# KiCad board GNSS GPS L86-M33 breakout with easyC_panel.kicad_pcb (continued)
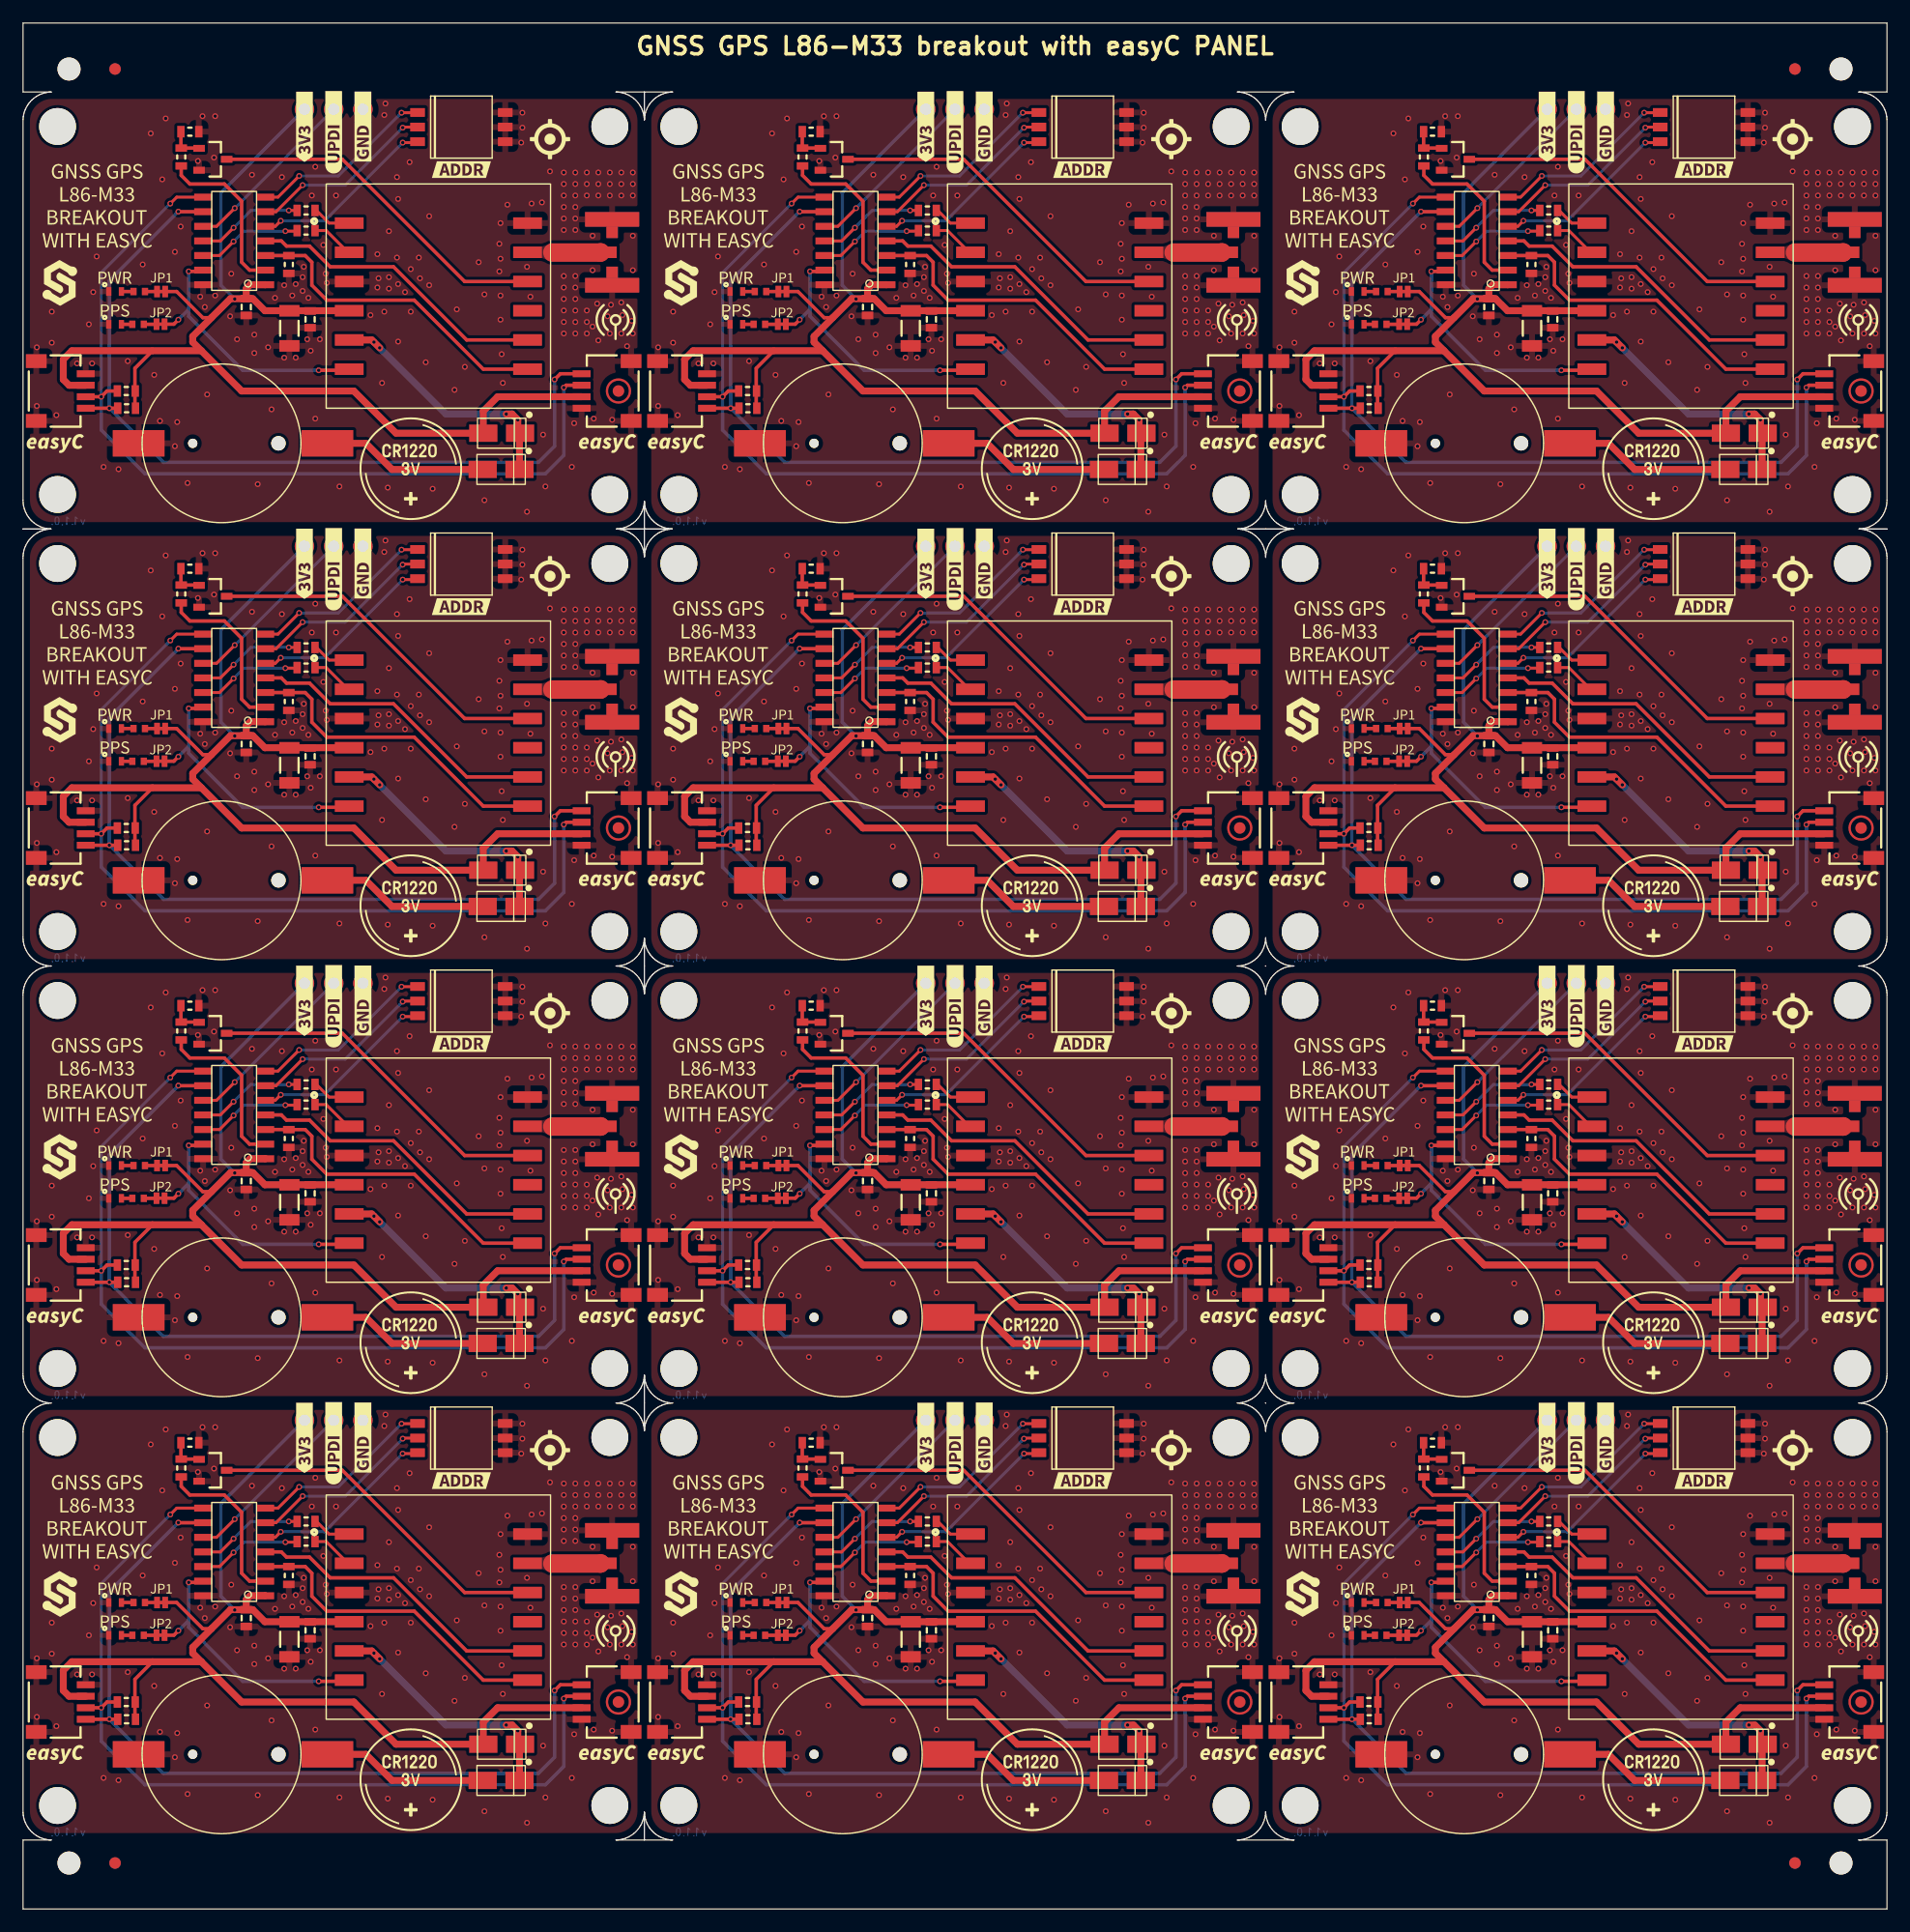
[diagram p0: board, top side]
## Placement (name value [footprint] x y rotation side) (continued)
kibuzzard-646B110E#5  G***  [kibuzzard-646B110E]  8 27.85 0 top
kibuzzard-646B110E#6  G***  [kibuzzard-646B110E]  62 65.85 0 top
kibuzzard-646B110E#7  G***  [kibuzzard-646B110E]  116 65.85 0 top
kibuzzard-646B110E#8  G***  [kibuzzard-646B110E]  8 141.85 0 top
kibuzzard-646B110E#9  G***  [kibuzzard-646B110E]  116 103.85 0 top
kibuzzard-646B110E#10  G***  [kibuzzard-646B110E]  62 27.85 0 top
kibuzzard-646B110E#11  G***  [kibuzzard-646B110E]  8 65.85 0 top
kibuzzard-646B110E#12  G***  [kibuzzard-646B110E]  8 103.85 0 top
kibuzzard-646B122B  G***  [kibuzzard-646B122B]  81 154.5 90 top
kibuzzard-646B122B#2  G***  [kibuzzard-646B122B]  81 40.5 90 top
kibuzzard-646B122B#3  G***  [kibuzzard-646B122B]  27 154.5 90 top
kibuzzard-646B122B#4  G***  [kibuzzard-646B122B]  81 116.5 90 top
kibuzzard-646B122B#5  G***  [kibuzzard-646B122B]  27 116.5 90 top
kibuzzard-646B122B#6  G***  [kibuzzard-646B122B]  27 40.5 90 top
kibuzzard-646B122B#7  G***  [kibuzzard-646B122B]  135 116.5 90 top
kibuzzard-646B122B#8  G***  [kibuzzard-646B122B]  81 78.5 90 top
kibuzzard-646B122B#9  G***  [kibuzzard-646B122B]  135 154.5 90 top
kibuzzard-646B122B#10  G***  [kibuzzard-646B122B]  135 40.5 90 top
kibuzzard-646B122B#11  G***  [kibuzzard-646B122B]  135 78.5 90 top
kibuzzard-646B122B#12  G***  [kibuzzard-646B122B]  27 78.5 90 top
kibuzzard-646B123E  G***  [kibuzzard-646B123E]  83.54 79 90 top
kibuzzard-646B123E#2  G***  [kibuzzard-646B123E]  29.54 155 90 top
kibuzzard-646B123E#3  G***  [kibuzzard-646B123E]  83.54 117 90 top
kibuzzard-646B123E#4  G***  [kibuzzard-646B123E]  137.54 79 90 top
kibuzzard-646B123E#5  G***  [kibuzzard-646B123E]  137.54 155 90 top
kibuzzard-646B123E#6  G***  [kibuzzard-646B123E]  83.54 41 90 top
kibuzzard-646B123E#7  G***  [kibuzzard-646B123E]  29.54 79 90 top
kibuzzard-646B123E#8  G***  [kibuzzard-646B123E]  29.54 117 90 top
kibuzzard-646B123E#9  G***  [kibuzzard-646B123E]  137.54 117 90 top
kibuzzard-646B123E#10  G***  [kibuzzard-646B123E]  83.54 155 90 top
kibuzzard-646B123E#11  G***  [kibuzzard-646B123E]  137.54 41 90 top
kibuzzard-646B123E#12  G***  [kibuzzard-646B123E]  29.54 41 90 top
kibuzzard-646B1119  G***  [kibuzzard-646B1119]  62 63 0 top
kibuzzard-646B1119#2  G***  [kibuzzard-646B1119]  116 101 0 top
kibuzzard-646B1119#3  G***  [kibuzzard-646B1119]  8 63 0 top
kibuzzard-646B1119#4  G***  [kibuzzard-646B1119]  62 139 0 top
kibuzzard-646B1119#5  G***  [kibuzzard-646B1119]  8 101 0 top
kibuzzard-646B1119#6  G***  [kibuzzard-646B1119]  8 25 0 top
kibuzzard-646B1119#7  G***  [kibuzzard-646B1119]  116 139 0 top
kibuzzard-646B1119#8  G***  [kibuzzard-646B1119]  116 63 0 top
kibuzzard-646B1119#9  G***  [kibuzzard-646B1119]  62 101 0 top
kibuzzard-646B1119#10  G***  [kibuzzard-646B1119]  116 25 0 top
kibuzzard-646B1119#11  G***  [kibuzzard-646B1119]  8 139 0 top
kibuzzard-646B1119#12  G***  [kibuzzard-646B1119]  62 25 0 top
kibuzzard-646B1126  G***  [kibuzzard-646B1126]  66 27.85 0 top
kibuzzard-646B1126#2  G***  [kibuzzard-646B1126]  120 65.85 0 top
kibuzzard-646B1126#3  G***  [kibuzzard-646B1126]  66 103.85 0 top
kibuzzard-646B1126#4  G***  [kibuzzard-646B1126]  12 27.85 0 top
kibuzzard-646B1126#5  G***  [kibuzzard-646B1126]  12 65.85 0 top
kibuzzard-646B1126#6  G***  [kibuzzard-646B1126]  12 103.85 0 top
kibuzzard-646B1126#7  G***  [kibuzzard-646B1126]  66 141.85 0 top
kibuzzard-646B1126#8  G***  [kibuzzard-646B1126]  66 65.85 0 top
kibuzzard-646B1126#9  G***  [kibuzzard-646B1126]  120 103.85 0 top
kibuzzard-646B1126#10  G***  [kibuzzard-646B1126]  12 141.85 0 top
kibuzzard-646B1126#11  G***  [kibuzzard-646B1126]  120 27.85 0 top
kibuzzard-646B1126#12  G***  [kibuzzard-646B1126]  120 141.85 0 top
kibuzzard-646B1134  G***  [kibuzzard-646B1134]  65.95 62.82 0 top
kibuzzard-646B1134#2  G***  [kibuzzard-646B1134]  11.95 62.82 0 top
kibuzzard-646B1134#3  G***  [kibuzzard-646B1134]  11.95 138.82 0 top
kibuzzard-646B1134#4  G***  [kibuzzard-646B1134]  65.95 138.82 0 top
kibuzzard-646B1134#5  G***  [kibuzzard-646B1134]  65.95 100.82 0 top
kibuzzard-646B1134#6  G***  [kibuzzard-646B1134]  11.95 24.82 0 top
kibuzzard-646B1134#7  G***  [kibuzzard-646B1134]  119.95 138.82 0 top
kibuzzard-646B1134#8  G***  [kibuzzard-646B1134]  65.95 24.82 0 top
kibuzzard-646B1134#9  G***  [kibuzzard-646B1134]  119.95 62.82 0 top
kibuzzard-646B1134#10  G***  [kibuzzard-646B1134]  119.95 24.82 0 top
kibuzzard-646B1134#11  G***  [kibuzzard-646B1134]  11.95 100.82 0 top
kibuzzard-646B1134#12  G***  [kibuzzard-646B1134]  119.95 100.82 0 top
kibuzzard-646B1202  G***  [kibuzzard-646B1202]  92.1 75.25 0 top
kibuzzard-646B1202#2  G***  [kibuzzard-646B1202]  38.1 37.25 0 top
kibuzzard-646B1202#3  G***  [kibuzzard-646B1202]  146.1 151.25 0 top
kibuzzard-646B1202#4  G***  [kibuzzard-646B1202]  146.1 75.25 0 top
kibuzzard-646B1202#5  G***  [kibuzzard-646B1202]  38.1 75.25 0 top
kibuzzard-646B1202#6  G***  [kibuzzard-646B1202]  38.1 151.25 0 top
kibuzzard-646B1202#7  G***  [kibuzzard-646B1202]  92.1 151.25 0 top
kibuzzard-646B1202#8  G***  [kibuzzard-646B1202]  146.1 113.25 0 top
kibuzzard-646B1202#9  G***  [kibuzzard-646B1202]  38.1 113.25 0 top
kibuzzard-646B1202#10  G***  [kibuzzard-646B1202]  92.1 113.25 0 top
kibuzzard-646B1202#11  G***  [kibuzzard-646B1202]  146.1 37.25 0 top
kibuzzard-646B1202#12  G***  [kibuzzard-646B1202]  92.1 37.25 0 top
kibuzzard-646B1217  G***  [kibuzzard-646B1217]  132.46 78.97 90 top
kibuzzard-646B1217#2  G***  [kibuzzard-646B1217]  132.46 116.97 90 top
kibuzzard-646B1217#3  G***  [kibuzzard-646B1217]  24.46 116.97 90 top
kibuzzard-646B1217#4  G***  [kibuzzard-646B1217]  24.46 78.97 90 top
kibuzzard-646B1217#5  G***  [kibuzzard-646B1217]  78.46 116.97 90 top
kibuzzard-646B1217#6  G***  [kibuzzard-646B1217]  78.46 40.97 90 top
kibuzzard-646B1217#7  G***  [kibuzzard-646B1217]  132.46 40.97 90 top
kibuzzard-646B1217#8  G***  [kibuzzard-646B1217]  78.46 78.97 90 top
kibuzzard-646B1217#9  G***  [kibuzzard-646B1217]  132.46 154.97 90 top
kibuzzard-646B1217#10  G***  [kibuzzard-646B1217]  24.46 40.97 90 top
kibuzzard-646B1217#11  G***  [kibuzzard-646B1217]  78.46 154.97 90 top
kibuzzard-646B1217#12  G***  [kibuzzard-646B1217]  24.46 154.97 90 top
Q1  NPN  [SOT-23-3]  70.5 152.15 0 top
Q1#2  NPN  [SOT-23-3]  124.5 38.15 0 top
Q1#3  NPN  [SOT-23-3]  70.5 76.15 0 top
Q1#4  NPN  [SOT-23-3]  124.5 114.15 0 top
Q1#5  NPN  [SOT-23-3]  70.5 114.15 0 top
Q1#6  NPN  [SOT-23-3]  16.5 114.15 0 top
Q1#7  NPN  [SOT-23-3]  16.5 38.15 0 top
Q1#8  NPN  [SOT-23-3]  16.5 76.15 0 top
Q1#9  NPN  [SOT-23-3]  70.5 38.15 0 top
Q1#10  NPN  [SOT-23-3]  124.5 152.15 0 top
Q1#11  NPN  [SOT-23-3]  124.5 76.15 0 top
Q1#12  NPN  [SOT-23-3]  16.5 152.15 0 top
R1  1k  [0603R]  24.6 107.95 180 top
R1#2  1k  [0603R]  24.6 145.95 180 top
R1#3  1k  [0603R]  24.6 31.95 180 top
R1#4  1k  [0603R]  78.6 31.95 180 top
R1#5  1k  [0603R]  78.6 69.95 180 top
R1#6  1k  [0603R]  132.6 31.95 180 top
R1#7  1k  [0603R]  132.6 69.95 180 top
R1#8  1k  [0603R]  132.6 145.95 180 top
R1#9  1k  [0603R]  78.6 107.95 180 top
R1#10  1k  [0603R]  78.6 145.95 180 top
R1#11  1k  [0603R]  132.6 107.95 180 top
R1#12  1k  [0603R]  24.6 69.95 180 top
R2  4k7  [0603R]  13.75 114.35 90 top
R2#2  4k7  [0603R]  67.75 152.35 90 top
R2#3  4k7  [0603R]  67.75 76.35 90 top
R2#4  4k7  [0603R]  67.75 38.35 90 top
R2#5  4k7  [0603R]  13.75 152.35 90 top
R2#6  4k7  [0603R]  121.75 114.35 90 top
R2#7  4k7  [0603R]  121.75 152.35 90 top
R2#8  4k7  [0603R]  121.75 76.35 90 top
R2#9  4k7  [0603R]  67.75 114.35 90 top
R2#10  4k7  [0603R]  13.75 76.35 90 top
R2#11  4k7  [0603R]  121.75 38.35 90 top
R2#12  4k7  [0603R]  13.75 38.35 90 top
R3  1k  [0603R]  24.6 147.7 180 top
R3#2  1k  [0603R]  132.6 147.7 180 top
R3#3  1k  [0603R]  78.6 33.7 180 top
R3#4  1k  [0603R]  132.6 33.7 180 top
R3#5  1k  [0603R]  24.6 109.7 180 top
R3#6  1k  [0603R]  24.6 71.7 180 top
R3#7  1k  [0603R]  24.6 33.7 180 top
R3#8  1k  [0603R]  78.6 71.7 180 top
R3#9  1k  [0603R]  78.6 109.7 180 top
R3#10  1k  [0603R]  78.6 147.7 180 top
R3#11  1k  [0603R]  132.6 71.7 180 top
R3#12  1k  [0603R]  132.6 109.7 180 top
R4  10k  [0603R]  62.98 56 0 top
R4#2  10k  [0603R]  8.98 132 0 top
R4#3  10k  [0603R]  62.98 132 0 top
R4#4  10k  [0603R]  116.98 132 0 top
R4#5  10k  [0603R]  62.98 18 0 top
R4#6  10k  [0603R]  116.98 94 0 top
R4#7  10k  [0603R]  8.98 18 0 top
R4#8  10k  [0603R]  62.98 94 0 top
R4#9  10k  [0603R]  116.98 18 0 top
R4#10  10k  [0603R]  8.98 94 0 top
R4#11  10k  [0603R]  116.98 56 0 top
R4#12  10k  [0603R]  8.98 56 0 top
R5  10k  [0603R]  23.1 67 270 top
R5#2  10k  [0603R]  131.1 105 270 top
R5#3  10k  [0603R]  23.1 143 270 top
R5#4  10k  [0603R]  131.1 29 270 top
R5#5  10k  [0603R]  77.1 143 270 top
R5#6  10k  [0603R]  131.1 143 270 top
R5#7  10k  [0603R]  23.1 29 270 top
R5#8  10k  [0603R]  131.1 67 270 top
R5#9  10k  [0603R]  77.1 29 270 top
R5#10  10k  [0603R]  77.1 105 270 top
R5#11  10k  [0603R]  77.1 67 270 top
R5#12  10k  [0603R]  23.1 105 270 top
R6  47k  [0603R]  14.5 40.55 0 top
R6#2  47k  [0603R]  68.5 154.55 0 top
R6#3  47k  [0603R]  122.5 116.55 0 top
R6#4  47k  [0603R]  68.5 78.55 0 top
R6#5  47k  [0603R]  14.5 78.55 0 top
R6#6  47k  [0603R]  68.5 40.55 0 top
R6#7  47k  [0603R]  122.5 40.55 0 top
R6#8  47k  [0603R]  68.5 116.55 0 top
R6#9  47k  [0603R]  14.5 154.55 0 top
R6#10  47k  [0603R]  14.5 116.55 0 top
R6#11  47k  [0603R]  122.5 154.55 0 top
R6#12  47k  [0603R]  122.5 78.55 0 top
R7  10k  [0603R]  9 54.5 0 top
R7#2  10k  [0603R]  63 16.5 0 top
R7#3  10k  [0603R]  117 130.5 0 top
R7#4  10k  [0603R]  63 54.5 0 top
R7#5  10k  [0603R]  9 16.5 0 top
R7#6  10k  [0603R]  117 16.5 0 top
R7#7  10k  [0603R]  9 92.5 0 top
R7#8  10k  [0603R]  63 130.5 0 top
R7#9  10k  [0603R]  117 54.5 0 top
R7#10  10k  [0603R]  117 92.5 0 top
R7#11  10k  [0603R]  9 130.5 0 top
R7#12  10k  [0603R]  63 92.5 0 top
R9  2k2  [0402R]  10.1 26.65 180 top
R9#2  2k2  [0402R]  64.1 102.65 180 top
R9#3  2k2  [0402R]  64.1 64.65 180 top
R9#4  2k2  [0402R]  118.1 64.65 180 top
R9#5  2k2  [0402R]  10.1 102.65 180 top
R9#6  2k2  [0402R]  118.1 102.65 180 top
R9#7  2k2  [0402R]  10.1 140.65 180 top
R9#8  2k2  [0402R]  118.1 140.65 180 top
R9#9  2k2  [0402R]  64.1 140.65 180 top
R9#10  2k2  [0402R]  64.1 26.65 180 top
R9#11  2k2  [0402R]  118.1 26.65 180 top
R9#12  2k2  [0402R]  10.1 64.65 180 top
R10  2k2  [0402R]  118 137.8 180 top
R10#2  2k2  [0402R]  118 23.8 180 top
R10#3  2k2  [0402R]  64 99.8 180 top
R10#4  2k2  [0402R]  64 137.8 180 top
R10#5  2k2  [0402R]  118 99.8 180 top
R10#6  2k2  [0402R]  64 23.8 180 top
R10#7  2k2  [0402R]  118 61.8 180 top
R10#8  2k2  [0402R]  10 23.8 180 top
R10#9  2k2  [0402R]  10 137.8 180 top
R10#10  2k2  [0402R]  10 61.8 180 top
R10#11  2k2  [0402R]  64 61.8 180 top
R10#12  2k2  [0402R]  10 99.8 180 top
REF**  -  [Logo-Back-CE-3.5mm]  120.5 84 0 top
Ref**  Val**  [Version1.1.0]  111.9 44.7 180 bottom
REF**#2  -  [Symbol-Front-CR1220]  33.7 87.25 0 top
Ref**#2  Val**  [Version1.1.0]  111.9 6.7 180 bottom
REF**#3  Logo-Front-SolderedFULL-20mm  [Logo-Back-SolderedFULL-20mm]  81 100.5 0 top
Ref**#3  Val**  [Version1.1.0]  111.9 82.7 180 bottom
REF**#4  -  [Symbol-Front-CR1220]  87.7 11.25 0 top
Ref**#4  Val**  [Version1.1.0]  57.9 120.7 180 bottom
REF**#5  Logo-Front-SolderedFULL-20mm  [Logo-Back-SolderedFULL-20mm]  135 62.5 0 top
Ref**#5  Val**  [Version1.1.0]  57.9 44.7 180 bottom
REF**#6  -  [Symbol-Front-CR1220]  87.7 125.25 0 top
Ref**#6  Val**  [Version1.1.0]  57.9 82.7 180 bottom
REF**#7  -  [Symbol-Front-CR1220]  141.7 49.25 0 top
Ref**#7  Val**  [Version1.1.0]  3.9 6.7 180 bottom
REF**#8  -  [Logo-Back-UKCA-3.5mm]  17 84 0 top
Ref**#8  Val**  [Version1.1.0]  111.9 120.7 180 bottom
REF**#9  Logo-Front-SolderedFULL-20mm  [Logo-Back-SolderedFULL-20mm]  135 100.5 0 top
Ref**#9  Val**  [Version1.1.0]  3.9 82.7 180 bottom
REF**#10  Logo-Front-SolderedFULL-20mm  [Logo-Back-SolderedFULL-20mm]  135 138.5 0 top
Ref**#10  Val**  [Version1.1.0]  3.9 44.7 180 bottom
REF**#11  -  [Fiducial]  8 160 0 top
Ref**#11  Val**  [Version1.1.0]  57.9 6.7 180 bottom
REF**#12  -  [Logo-Back-UKCA-3.5mm]  71 122 0 top
Ref**#12  Val**  [Version1.1.0]  3.9 120.7 180 bottom
REF**#13  -  [NPTH]  4 160 0 top
REF**#14  -  [Symbol-Front-CR1220]  33.7 49.25 0 top
REF**#15  -  [Logo-Back-UKCA-3.5mm]  17 122 0 top
REF**#16  -  [NPTH]  158 4 0 top
REF**#17  -  [Logo-Back-UKCA-3.5mm]  71 8 0 top
REF**#18  -  [Fiducial]  154 160 0 top
REF**#19  -  [Logo-Back-UKCA-3.5mm]  125 46 0 top
REF**#20  -  [Logo-Back-CE-3.5mm]  66.5 122 0 top
REF**#21  -  [Logo-Back-UKCA-3.5mm]  17 8 0 top
REF**#22  -  [Logo-Back-CE-3.5mm]  12.5 8 0 top
REF**#23  Logo-Front-SolderedFULL-20mm  [Logo-Back-SolderedFULL-20mm]  27 24.5 0 top
REF**#24  -  [Fiducial]  8 4 0 top
REF**#25  Logo-Front-SolderedFULL-20mm  [Logo-Back-SolderedFULL-20mm]  27 100.5 0 top
REF**#26  Logo-Front-SolderedFULL-20mm  [Logo-Back-SolderedFULL-20mm]  81 138.5 0 top
REF**#27  -  [Symbol-Front-CR1220]  87.7 87.25 0 top
REF**#28  -  [Symbol-Front-CR1220]  141.7 87.25 0 top
REF**#29  -  [Logo-Back-UKCA-3.5mm]  71 46 0 top
REF**#30  -  [Fiducial]  154 4 0 top
REF**#31  -  [Logo-Back-CE-3.5mm]  12.5 46 0 top
REF**#32  Logo-Front-SolderedFULL-20mm  [Logo-Back-SolderedFULL-20mm]  135 24.5 0 top
REF**#33  -  [Logo-Back-CE-3.5mm]  12.5 84 0 top
REF**#34  -  [Symbol-Front-CR1220]  33.7 125.25 0 top
REF**#35  -  [Symbol-Front-CR1220]  141.7 11.25 0 top
REF**#36  Logo-Front-SolderedFULL-20mm  [Logo-Back-SolderedFULL-20mm]  27 138.5 0 top
REF**#37  -  [Logo-Back-UKCA-3.5mm]  125 122 0 top
REF**#38  -  [Logo-Back-CE-3.5mm]  66.5 46 0 top
REF**#39  -  [Logo-Back-UKCA-3.5mm]  71 84 0 top
REF**#40  -  [Symbol-Front-CR1220]  141.7 125.25 0 top
REF**#41  -  [Logo-Back-UKCA-3.5mm]  17 46 0 top
REF**#42  -  [Logo-Back-CE-3.5mm]  66.5 8 0 top
REF**#43  -  [Logo-Back-CE-3.5mm]  12.5 122 0 top
REF**#44  Logo-Front-SolderedFULL-20mm  [Logo-Back-SolderedFULL-20mm]  81 24.5 0 top
REF**#45  Logo-Front-SolderedFULL-20mm  [Logo-Back-SolderedFULL-20mm]  27 62.5 0 top
REF**#46  -  [NPTH]  158 160 0 top
REF**#47  -  [Logo-Back-UKCA-3.5mm]  125 8 0 top
REF**#48  -  [Symbol-Front-CR1220]  33.7 11.25 0 top
REF**#49  -  [Logo-Back-CE-3.5mm]  120.5 122 0 top
REF**#50  -  [Logo-Back-UKCA-3.5mm]  125 84 0 top
REF**#51  -  [NPTH]  4 4 0 top
REF**#52  Logo-Front-SolderedFULL-20mm  [Logo-Back-SolderedFULL-20mm]  81 62.5 0 top
REF**#53  -  [Logo-Back-CE-3.5mm]  66.5 84 0 top
REF**#54  -  [Logo-Back-CE-3.5mm]  120.5 8 0 top
REF**#55  -  [Symbol-Front-CR1220]  87.7 49.25 0 top
REF**#56  -  [Logo-Back-CE-3.5mm]  120.5 46 0 top
REF**#57  Symbol-Front_I2C_ADDR_CUSTOM  [Symbol-Front_I2C_ADDR_CUSTOM-NewFont]  27.1 8.1 180 bottom
REF**#58  Symbol-Front_I2C_ADDR_CUSTOM  [Symbol-Front_I2C_ADDR_CUSTOM-NewFont]  27.1 46.1 180 bottom
REF**#59  -  [Fiducial]  8 4 0 bottom
REF**#60  Symbol-Front_I2C_ADDR_CUSTOM  [Symbol-Front_I2C_ADDR_CUSTOM-NewFont]  135.1 8.1 180 bottom
REF**#61  Symbol-Front_I2C_ADDR_CUSTOM  [Symbol-Front_I2C_ADDR_CUSTOM-NewFont]  135.1 46.1 180 bottom
REF**#62  Symbol-Front_I2C_ADDR_CUSTOM  [Symbol-Front_I2C_ADDR_CUSTOM-NewFont]  27.1 84.1 180 bottom
REF**#63  Symbol-Front_I2C_ADDR_CUSTOM  [Symbol-Front_I2C_ADDR_CUSTOM-NewFont]  81.1 46.1 180 bottom
REF**#64  -  [Fiducial]  154 4 0 bottom
REF**#65  Symbol-Front_I2C_ADDR_CUSTOM  [Symbol-Front_I2C_ADDR_CUSTOM-NewFont]  135.1 122.1 180 bottom
REF**#66  Symbol-Front_I2C_ADDR_CUSTOM  [Symbol-Front_I2C_ADDR_CUSTOM-NewFont]  27.1 122.1 180 bottom
REF**#67  -  [Fiducial]  8 160 0 bottom
REF**#68  Symbol-Front_I2C_ADDR_CUSTOM  [Symbol-Front_I2C_ADDR_CUSTOM-NewFont]  135.1 84.1 180 bottom
REF**#69  Symbol-Front_I2C_ADDR_CUSTOM  [Symbol-Front_I2C_ADDR_CUSTOM-NewFont]  81.1 8.1 180 bottom
REF**#70  -  [Fiducial]  154 160 0 bottom
REF**#71  Symbol-Front_I2C_ADDR_CUSTOM  [Symbol-Front_I2C_ADDR_CUSTOM-NewFont]  81.1 84.1 180 bottom
REF**#72  Symbol-Front_I2C_ADDR_CUSTOM  [Symbol-Front_I2C_ADDR_CUSTOM-NewFont]  81.1 122.1 180 bottom
U2  -  [L86-M33]  144.1 102.25 180 top
U2#2  -  [L86-M33]  36.1 102.25 180 top
U2#3  -  [L86-M33]  144.1 140.25 180 top
U2#4  -  [L86-M33]  144.1 26.25 180 top
U2#5  -  [L86-M33]  90.1 64.25 180 top
U2#6  -  [L86-M33]  36.1 26.25 180 top
U2#7  -  [L86-M33]  90.1 102.25 180 top
U2#8  -  [L86-M33]  144.1 64.25 180 top
U2#9  -  [L86-M33]  36.1 140.25 180 top
U2#10  -  [L86-M33]  90.1 140.25 180 top
U2#11  -  [L86-M33]  36.1 64.25 180 top
U2#12  -  [L86-M33]  90.1 26.25 180 top
U5  ATTINY404-SSNR  [SOIC-14]  18.35 69.05 180 top
U5#2  ATTINY404-SSNR  [SOIC-14]  72.35 107.05 180 top
U5#3  ATTINY404-SSNR  [SOIC-14]  18.35 145.05 180 top
U5#4  ATTINY404-SSNR  [SOIC-14]  18.35 107.05 180 top
U5#5  ATTINY404-SSNR  [SOIC-14]  18.35 31.05 180 top
U5#6  ATTINY404-SSNR  [SOIC-14]  126.35 145.05 180 top
U5#7  ATTINY404-SSNR  [SOIC-14]  126.35 31.05 180 top
U5#8  ATTINY404-SSNR  [SOIC-14]  72.35 31.05 180 top
U5#9  ATTINY404-SSNR  [SOIC-14]  126.35 107.05 180 top
U5#10  ATTINY404-SSNR  [SOIC-14]  72.35 145.05 180 top
U5#11  ATTINY404-SSNR  [SOIC-14]  126.35 69.05 180 top
U5#12  ATTINY404-SSNR  [SOIC-14]  72.35 69.05 180 top

## Footprints (pads in the part's own frame, mm; a bottom-side part is the same pattern mirrored in y, then rotated)
0402LED
  rect 0.45x0.75 smd: 1(-0.55,0) 2(0.55,0)
0402R
  rect 0.54x0.64 smd: 1(-0.5,0) 2(0.5,0)
0603C
  rect 0.66x1 smd: 1(-0.73,0) 2(0.73,0)
0603R
  rect 0.64x1 smd: 1(-0.775,0) 2(0.775,0)
1206C
  rect 1x1.75 smd: 1(-1.525,0) 2(1.525,0)
CR1220_HOLDER
  round 0.8 hole 1: (0,3.5)
  round 1.25 hole 1.25: (0,-3.95)
  rect 2.3x4.5 smd: 1+(0,-8.2) 2-(0,8.2)
DSHP03TS-S
  rect 1.27x0.76 smd: 1(-3.81,1.27) 2(3.81,1.27) 3(-3.81,0) 4(3.81,0) 5(-3.81,-1.27) 6(3.81,-1.27)
easyC-connector
  rect 0.6x1.55 smd: 1(-1.5,-2.15) 2(-0.5,-2.15) 3(0.5,-2.15) 4(1.5,-2.15)
  rect 1.2x1.8 smd: 5(-2.6,2.15) 5(2.6,2.15)
Fiducial
  round 1 smd: (0,0)
FIDUCIAL_23
  round 1 smd: 1(0,0)
HEADER-UPDI
  round 1.7 hole 1: 1(-2.54,0) 2(0,0) 3(2.54,0)
HOLE_3.2mm
  round 3.2 hole 3.2 unplated: (0,0)
IPX connector with SMA
  rect 1x2.8 smd: 1(0,0)
  rect 1.27x4.7 smd: 2(-2.865,1) 2(2.865,1)
  rect 1.27x4.7 smd far side: 2(-2.865,1) 2(2.865,1)
  rect 1x1 smd: 2(-1.745,1) 2(1.745,1)
  rect 1x1 smd far side: 2(-1.745,1) 2(1.745,1)
L86-M33
  rect 2.5x1 smd: 1(7.75,-6.35) 2(7.75,-3.81) 3(7.75,-1.27) 4(7.75,1.27) 5(7.75,3.81) 6(7.75,6.35) 7(-7.75,6.35) 8(-7.75,3.81) 9(-7.75,1.27) 10(-7.75,-1.27) 11(-7.75,-3.81) 12(-7.75,-6.35)
M4_DIODA
  rect 2.45x1.5 smd: 1(-1.6,0) 2(1.6,0)
NPTH
  round 2 hole 2 unplated: (0,0)
SMD-JUMPER-CONNECTED_TRACE_SOLDERMASK
  rect 0.5x1 smd: 1(-0.35,0) 2(0.35,0)
SOIC-14
  rect 1.55x0.6 smd: 1(-2.7,3.81) 2(-2.7,2.54) 3(-2.7,1.27) 4(-2.7,0) 5(-2.7,-1.27) 6(-2.7,-2.54) 7(-2.7,-3.81) 8(2.7,-3.81) 9(2.7,-2.54) 10(2.7,-1.27) 11(2.7,0) 12(2.7,1.27) 13(2.7,2.54) 14(2.7,3.81)
SOT-23-3
  rect 1x0.6 smd: 1(-1.2,0.95) 2(-1.2,-0.95) 3(1.2,0)

## Nets
Board_0-3V3: C2.2 C3#4.2 C5#12.1 D1#6.1 JP2#9.1 K5#9.3 K6#2.1 K7#3.3 R4#2.2 R7#11.2 U2#9.4 U5#3.1
Board_0-ADD1: K8#11.1 U5#3.7
Board_0-ADD2: K8#11.3 U5#3.6
Board_0-ADD3: K8#11.5 U5#3.5
Board_0-ANT: K1#11.1 U2#9.11
Board_0-ANT_DET: U2#9.8 U5#3.4
Board_0-FORCE_ON: R5#3.1 U2#9.7 U5#3.3
Board_0-GND: C2.1 C3#4.1 C5#12.2 D3#4.2 D4.2 K1#11.2 K3#6.2- K5#9.4 K5#9.5 K6#2.3 K7#3.4 K7#3.5 K8#11.2 K8#11.4 K8#11.6 Q1#12.2 R5#3.2 R6#9.2 U2#9.3 U2#9.12 U5#3.14
Board_0-Net-(D2-Pad1): D2#4.1 K3#6.1+
Board_0-Net-(D3-Pad1): D3#4.1 R9#7.2
Board_0-Net-(D4-Pad1): D4.1 R10#9.2
Board_0-Net-(JP2-Pad2): JP2#9.2 R9#7.1
Board_0-Net-(JP4-Pad2): JP4#3.2 R10#9.1
Board_0-Net-(Q1-Pad1): Q1#12.1 R2#5.2 R6#9.1
Board_0-Net-(Q1-Pad3): Q1#12.3 U2#9.10
Board_0-Net-(R1-Pad1): R1#2.1 U2#9.2
Board_0-Net-(R3-Pad1): R3.1 U2#9.1
Board_0-PPS: JP4#3.1 U2#9.6 U5#3.13
Board_0-RESET: R2#5.1 U5#3.2
Board_0-RXD1: R1#2.2 U5#3.12
Board_0-SCL: K5#9.1 K7#3.1 R7#11.1 U5#3.9
Board_0-SDA: K5#9.2 K7#3.2 R4#2.1 U5#3.8
Board_0-TXD1: R3.2 U5#3.11
Board_0-unconnected-(U2-Pad9): U2#9.9
Board_0-UPDI: K6#2.2 U5#3.10
Board_0-V_BCKP: D1#6.2 D2#4.2 U2#9.5
Board_1-3V3: C2#5.2 C3#11.2 C5#7.1 D1#10.1 JP2#7.1 K5#12.3 K6#9.1 K7#8.3 R4#3.2 R7#8.2 U2#10.4 U5#10.1
Board_1-ADD1: K8#4.1 U5#10.7
Board_1-ADD2: K8#4.3 U5#10.6
Board_1-ADD3: K8#4.5 U5#10.5
Board_1-ANT: K1#8.1 U2#10.11
Board_1-ANT_DET: U2#10.8 U5#10.4
Board_1-FORCE_ON: R5#5.1 U2#10.7 U5#10.3
Board_1-GND: C2#5.1 C3#11.1 C5#7.2 D3#8.2 D4#4.2 K1#8.2 K3#12.2- K5#12.4 K5#12.5 K6#9.3 K7#8.4 K7#8.5 K8#4.2 K8#4.4 K8#4.6 Q1.2 R5#5.2 R6#2.2 U2#10.3 U2#10.12 U5#10.14
Board_1-Net-(D2-Pad1): D2#10.1 K3#12.1+
Board_1-Net-(D3-Pad1): D3#8.1 R9#9.2
Board_1-Net-(D4-Pad1): D4#4.1 R10#4.2
Board_1-Net-(JP2-Pad2): JP2#7.2 R9#9.1
Board_1-Net-(JP4-Pad2): JP4#11.2 R10#4.1
Board_1-Net-(Q1-Pad1): Q1.1 R2#2.2 R6#2.1
Board_1-Net-(Q1-Pad3): Q1.3 U2#10.10
Board_1-Net-(R1-Pad1): R1#10.1 U2#10.2
Board_1-Net-(R3-Pad1): R3#10.1 U2#10.1
Board_1-PPS: JP4#11.1 U2#10.6 U5#10.13
Board_1-RESET: R2#2.1 U5#10.2
Board_1-RXD1: R1#10.2 U5#10.12
Board_1-SCL: K5#12.1 K7#8.1 R7#8.1 U5#10.9
Board_1-SDA: K5#12.2 K7#8.2 R4#3.1 U5#10.8
Board_1-TXD1: R3#10.2 U5#10.11
Board_1-unconnected-(U2-Pad9): U2#10.9
Board_1-UPDI: K6#9.2 U5#10.10
Board_1-V_BCKP: D1#10.2 D2#10.2 U2#10.5
Board_2-3V3: C2#7.2 C3#2.2 C5#4.1 D1.1 JP2#8.1 K5.3 K6#4.1 K7.3 R4#4.2 R7#3.2 U2#3.4 U5#6.1
Board_2-ADD1: K8#3.1 U5#6.7
Board_2-ADD2: K8#3.3 U5#6.6
Board_2-ADD3: K8#3.5 U5#6.5
Board_2-ANT: K1#12.1 U2#3.11
Board_2-ANT_DET: U2#3.8 U5#6.4
Board_2-FORCE_ON: R5#6.1 U2#3.7 U5#6.3
Board_2-GND: C2#7.1 C3#2.1 C5#4.2 D3#12.2 D4#12.2 K1#12.2 K3#4.2- K5.4 K5.5 K6#4.3 K7.4 K7.5 K8#3.2 K8#3.4 K8#3.6 Q1#10.2 R5#6.2 R6#11.2 U2#3.3 U2#3.12 U5#6.14
Board_2-Net-(D2-Pad1): D2#9.1 K3#4.1+
Board_2-Net-(D3-Pad1): D3#12.1 R9#8.2
Board_2-Net-(D4-Pad1): D4#12.1 R10.2
Board_2-Net-(JP2-Pad2): JP2#8.2 R9#8.1
Board_2-Net-(JP4-Pad2): JP4.2 R10.1
Board_2-Net-(Q1-Pad1): Q1#10.1 R2#7.2 R6#11.1
Board_2-Net-(Q1-Pad3): Q1#10.3 U2#3.10
Board_2-Net-(R1-Pad1): R1#8.1 U2#3.2
Board_2-Net-(R3-Pad1): R3#2.1 U2#3.1
Board_2-PPS: JP4.1 U2#3.6 U5#6.13
Board_2-RESET: R2#7.1 U5#6.2
Board_2-RXD1: R1#8.2 U5#6.12
Board_2-SCL: K5.1 K7.1 R7#3.1 U5#6.9
Board_2-SDA: K5.2 K7.2 R4#4.1 U5#6.8
Board_2-TXD1: R3#2.2 U5#6.11
Board_2-unconnected-(U2-Pad9): U2#3.9
Board_2-UPDI: K6#4.2 U5#6.10
Board_2-V_BCKP: D1.2 D2#9.2 U2#3.5
Board_3-3V3: C2#8.2 C3#10.2 C5#10.1 D1#4.1 JP2#11.1 K5#2.3 K6#3.1 K7#9.3 R4#10.2 R7#7.2 U2#2.4 U5#4.1
Board_3-ADD1: K8#7.1 U5#4.7
Board_3-ADD2: K8#7.3 U5#4.6
Board_3-ADD3: K8#7.5 U5#4.5
Board_3-ANT: K1#5.1 U2#2.11
Board_3-ANT_DET: U2#2.8 U5#4.4
Board_3-FORCE_ON: R5#12.1 U2#2.7 U5#4.3
Board_3-GND: C2#8.1 C3#10.1 C5#10.2 D3#11.2 D4#11.2 K1#5.2 K3#11.2- K5#2.4 K5#2.5 K6#3.3 K7#9.4 K7#9.5 K8#7.2 K8#7.4 K8#7.6 Q1#6.2 R5#12.2 R6#10.2 U2#2.3 U2#2.12 U5#4.14
Board_3-Net-(D2-Pad1): D2.1 K3#11.1+
Board_3-Net-(D3-Pad1): D3#11.1 R9#5.2
Board_3-Net-(D4-Pad1): D4#11.1 R10#12.2
Board_3-Net-(JP2-Pad2): JP2#11.2 R9#5.1
Board_3-Net-(JP4-Pad2): JP4#9.2 R10#12.1
Board_3-Net-(Q1-Pad1): Q1#6.1 R2.2 R6#10.1
Board_3-Net-(Q1-Pad3): Q1#6.3 U2#2.10
Board_3-Net-(R1-Pad1): R1.1 U2#2.2
Board_3-Net-(R3-Pad1): R3#5.1 U2#2.1
Board_3-PPS: JP4#9.1 U2#2.6 U5#4.13
Board_3-RESET: R2.1 U5#4.2
Board_3-RXD1: R1.2 U5#4.12
Board_3-SCL: K5#2.1 K7#9.1 R7#7.1 U5#4.9
Board_3-SDA: K5#2.2 K7#9.2 R4#10.1 U5#4.8
Board_3-TXD1: R3#5.2 U5#4.11
Board_3-unconnected-(U2-Pad9): U2#2.9
Board_3-UPDI: K6#3.2 U5#4.10
Board_3-V_BCKP: D1#4.2 D2.2 U2#2.5
Board_4-3V3: C2#4.2 C3#7.2 C5#5.1 D1#9.1 JP2#10.1 K5#11.3 K6#10.1 K7#6.3 R4#8.2 R7#12.2 U2#7.4 U5#2.1
Board_4-ADD1: K8#2.1 U5#2.7
Board_4-ADD2: K8#2.3 U5#2.6
Board_4-ADD3: K8#2.5 U5#2.5
Board_4-ANT: K1#3.1 U2#7.11
Board_4-ANT_DET: U2#7.8 U5#2.4
Board_4-FORCE_ON: R5#10.1 U2#7.7 U5#2.3
Board_4-GND: C2#4.1 C3#7.1 C5#5.2 D3#7.2 D4#3.2 K1#3.2 K3#7.2- K5#11.4 K5#11.5 K6#10.3 K7#6.4 K7#6.5 K8#2.2 K8#2.4 K8#2.6 Q1#5.2 R5#10.2 R6#8.2 U2#7.3 U2#7.12 U5#2.14
Board_4-Net-(D2-Pad1): D2#11.1 K3#7.1+
Board_4-Net-(D3-Pad1): D3#7.1 R9#2.2
Board_4-Net-(D4-Pad1): D4#3.1 R10#3.2
Board_4-Net-(JP2-Pad2): JP2#10.2 R9#2.1
Board_4-Net-(JP4-Pad2): JP4#2.2 R10#3.1
Board_4-Net-(Q1-Pad1): Q1#5.1 R2#9.2 R6#8.1
Board_4-Net-(Q1-Pad3): Q1#5.3 U2#7.10
Board_4-Net-(R1-Pad1): R1#9.1 U2#7.2
Board_4-Net-(R3-Pad1): R3#9.1 U2#7.1
Board_4-PPS: JP4#2.1 U2#7.6 U5#2.13
Board_4-RESET: R2#9.1 U5#2.2
Board_4-RXD1: R1#9.2 U5#2.12
Board_4-SCL: K5#11.1 K7#6.1 R7#12.1 U5#2.9
Board_4-SDA: K5#11.2 K7#6.2 R4#8.1 U5#2.8
Board_4-TXD1: R3#9.2 U5#2.11
Board_4-unconnected-(U2-Pad9): U2#7.9
Board_4-UPDI: K6#10.2 U5#2.10
Board_4-V_BCKP: D1#9.2 D2#11.2 U2#7.5
Board_5-3V3: C2#10.2 C3#5.2 C5#3.1 D1#2.1 JP2#5.1 K5#5.3 K6#5.1 K7#4.3 R4#6.2 R7#10.2 U2.4 U5#9.1
Board_5-ADD1: K8#10.1 U5#9.7
Board_5-ADD2: K8#10.3 U5#9.6
Board_5-ADD3: K8#10.5 U5#9.5
Board_5-ANT: K1#10.1 U2.11
Board_5-ANT_DET: U2.8 U5#9.4
Board_5-FORCE_ON: R5#2.1 U2.7 U5#9.3
Board_5-GND: C2#10.1 C3#5.1 C5#3.2 D3#6.2 D4#8.2 K1#10.2 K3#2.2- K5#5.4 K5#5.5 K6#5.3 K7#4.4 K7#4.5 K8#10.2 K8#10.4 K8#10.6 Q1#4.2 R5#2.2 R6#3.2 U2.3 U2.12 U5#9.14
Board_5-Net-(D2-Pad1): D2#8.1 K3#2.1+
Board_5-Net-(D3-Pad1): D3#6.1 R9#6.2
Board_5-Net-(D4-Pad1): D4#8.1 R10#5.2
Board_5-Net-(JP2-Pad2): JP2#5.2 R9#6.1
Board_5-Net-(JP4-Pad2): JP4#6.2 R10#5.1
Board_5-Net-(Q1-Pad1): Q1#4.1 R2#6.2 R6#3.1
Board_5-Net-(Q1-Pad3): Q1#4.3 U2.10
Board_5-Net-(R1-Pad1): R1#11.1 U2.2
Board_5-Net-(R3-Pad1): R3#12.1 U2.1
Board_5-PPS: JP4#6.1 U2.6 U5#9.13
Board_5-RESET: R2#6.1 U5#9.2
Board_5-RXD1: R1#11.2 U5#9.12
Board_5-SCL: K5#5.1 K7#4.1 R7#10.1 U5#9.9
Board_5-SDA: K5#5.2 K7#4.2 R4#6.1 U5#9.8
Board_5-TXD1: R3#12.2 U5#9.11
Board_5-unconnected-(U2-Pad9): U2.9
Board_5-UPDI: K6#5.2 U5#9.10
Board_5-V_BCKP: D1#2.2 D2#8.2 U2.5
Board_6-3V3: C2#11.2 C3#6.2 C5#11.1 D1#3.1 JP2#6.1 K5#7.3 K6.1 K7#5.3 R4#12.2 R7.2 U2#11.4 U5.1
Board_6-ADD1: K8#9.1 U5.7
Board_6-ADD2: K8#9.3 U5.6
Board_6-ADD3: K8#9.5 U5.5
Board_6-ANT: K1#6.1 U2#11.11
Board_6-ANT_DET: U2#11.8 U5.4
Board_6-FORCE_ON: R5.1 U2#11.7 U5.3
Board_6-GND: C2#11.1 C3#6.1 C5#11.2 D3#3.2 D4#7.2 K1#6.2 K3#3.2- K5#7.4 K5#7.5 K6.3 K7#5.4 K7#5.5 K8#9.2 K8#9.4 K8#9.6 Q1#8.2 R5.2 R6#5.2 U2#11.3 U2#11.12 U5.14
Board_6-Net-(D2-Pad1): D2#3.1 K3#3.1+
Board_6-Net-(D3-Pad1): D3#3.1 R9#12.2
Board_6-Net-(D4-Pad1): D4#7.1 R10#10.2
Board_6-Net-(JP2-Pad2): JP2#6.2 R9#12.1
Board_6-Net-(JP4-Pad2): JP4#10.2 R10#10.1
Board_6-Net-(Q1-Pad1): Q1#8.1 R2#10.2 R6#5.1
Board_6-Net-(Q1-Pad3): Q1#8.3 U2#11.10
Board_6-Net-(R1-Pad1): R1#12.1 U2#11.2
Board_6-Net-(R3-Pad1): R3#6.1 U2#11.1
Board_6-PPS: JP4#10.1 U2#11.6 U5.13
Board_6-RESET: R2#10.1 U5.2
Board_6-RXD1: R1#12.2 U5.12
Board_6-SCL: K5#7.1 K7#5.1 R7.1 U5.9
Board_6-SDA: K5#7.2 K7#5.2 R4#12.1 U5.8
Board_6-TXD1: R3#6.2 U5.11
Board_6-unconnected-(U2-Pad9): U2#11.9
Board_6-UPDI: K6.2 U5.10
Board_6-V_BCKP: D1#3.2 D2#3.2 U2#11.5
Board_7-3V3: C2#3.2 C3#3.2 C5#6.1 D1#11.1 JP2#4.1 K5#8.3 K6#7.1 K7#11.3 R4.2 R7#4.2 U2#5.4 U5#12.1
Board_7-ADD1: K8#8.1 U5#12.7
Board_7-ADD2: K8#8.3 U5#12.6
Board_7-ADD3: K8#8.5 U5#12.5
Board_7-ANT: K1.1 U2#5.11
Board_7-ANT_DET: U2#5.8 U5#12.4
Board_7-FORCE_ON: R5#11.1 U2#5.7 U5#12.3
Board_7-GND: C2#3.1 C3#3.1 C5#6.2 D3.2 D4#9.2 K1.2 K3.2- K5#8.4 K5#8.5 K6#7.3 K7#11.4 K7#11.5 K8#8.2 K8#8.4 K8#8.6 Q1#3.2 R5#11.2 R6#4.2 U2#5.3 U2#5.12 U5#12.14
Board_7-Net-(D2-Pad1): D2#2.1 K3.1+
Board_7-Net-(D3-Pad1): D3.1 R9#3.2
Board_7-Net-(D4-Pad1): D4#9.1 R10#11.2
Board_7-Net-(JP2-Pad2): JP2#4.2 R9#3.1
Board_7-Net-(JP4-Pad2): JP4#7.2 R10#11.1
Board_7-Net-(Q1-Pad1): Q1#3.1 R2#3.2 R6#4.1
Board_7-Net-(Q1-Pad3): Q1#3.3 U2#5.10
Board_7-Net-(R1-Pad1): R1#5.1 U2#5.2
Board_7-Net-(R3-Pad1): R3#8.1 U2#5.1
Board_7-PPS: JP4#7.1 U2#5.6 U5#12.13
Board_7-RESET: R2#3.1 U5#12.2
Board_7-RXD1: R1#5.2 U5#12.12
Board_7-SCL: K5#8.1 K7#11.1 R7#4.1 U5#12.9
Board_7-SDA: K5#8.2 K7#11.2 R4.1 U5#12.8
Board_7-TXD1: R3#8.2 U5#12.11
Board_7-unconnected-(U2-Pad9): U2#5.9
Board_7-UPDI: K6#7.2 U5#12.10
Board_7-V_BCKP: D1#11.2 D2#2.2 U2#5.5
Board_8-3V3: C2#6.2 C3#8.2 C5#2.1 D1#7.1 JP2#3.1 K5#10.3 K6#6.1 K7#2.3 R4#11.2 R7#9.2 U2#8.4 U5#11.1
Board_8-ADD1: K8.1 U5#11.7
Board_8-ADD2: K8.3 U5#11.6
Board_8-ADD3: K8.5 U5#11.5
Board_8-ANT: K1#4.1 U2#8.11
Board_8-ANT_DET: U2#8.8 U5#11.4
Board_8-FORCE_ON: R5#8.1 U2#8.7 U5#11.3
Board_8-GND: C2#6.1 C3#8.1 C5#2.2 D3#2.2 D4#2.2 K1#4.2 K3#9.2- K5#10.4 K5#10.5 K6#6.3 K7#2.4 K7#2.5 K8.2 K8.4 K8.6 Q1#11.2 R5#8.2 R6#12.2 U2#8.3 U2#8.12 U5#11.14
Board_8-Net-(D2-Pad1): D2#6.1 K3#9.1+
Board_8-Net-(D3-Pad1): D3#2.1 R9#4.2
Board_8-Net-(D4-Pad1): D4#2.1 R10#7.2
Board_8-Net-(JP2-Pad2): JP2#3.2 R9#4.1
Board_8-Net-(JP4-Pad2): JP4#5.2 R10#7.1
Board_8-Net-(Q1-Pad1): Q1#11.1 R2#8.2 R6#12.1
Board_8-Net-(Q1-Pad3): Q1#11.3 U2#8.10
Board_8-Net-(R1-Pad1): R1#7.1 U2#8.2
Board_8-Net-(R3-Pad1): R3#11.1 U2#8.1
Board_8-PPS: JP4#5.1 U2#8.6 U5#11.13
Board_8-RESET: R2#8.1 U5#11.2
Board_8-RXD1: R1#7.2 U5#11.12
Board_8-SCL: K5#10.1 K7#2.1 R7#9.1 U5#11.9
Board_8-SDA: K5#10.2 K7#2.2 R4#11.1 U5#11.8
Board_8-TXD1: R3#11.2 U5#11.11
Board_8-unconnected-(U2-Pad9): U2#8.9
Board_8-UPDI: K6#6.2 U5#11.10
Board_8-V_BCKP: D1#7.2 D2#6.2 U2#8.5
Board_9-3V3: C2#2.2 C3.2 C5#9.1 D1#8.1 JP2#2.1 K5#6.3 K6#11.1 K7#12.3 R4#7.2 R7#5.2 U2#6.4 U5#5.1
Board_9-ADD1: K8#6.1 U5#5.7
Board_9-ADD2: K8#6.3 U5#5.6
Board_9-ADD3: K8#6.5 U5#5.5
Board_9-ANT: K1#9.1 U2#6.11
Board_9-ANT_DET: U2#6.8 U5#5.4
Board_9-FORCE_ON: R5#7.1 U2#6.7 U5#5.3
Board_9-GND: C2#2.1 C3.1 C5#9.2 D3#9.2 D4#5.2 K1#9.2 K3#8.2- K5#6.4 K5#6.5 K6#11.3 K7#12.4 K7#12.5 K8#6.2 K8#6.4 K8#6.6 Q1#7.2 R5#7.2 R6.2 U2#6.3 U2#6.12 U5#5.14
Board_9-Net-(D2-Pad1): D2#12.1 K3#8.1+
Board_9-Net-(D3-Pad1): D3#9.1 R9.2
Board_9-Net-(D4-Pad1): D4#5.1 R10#8.2
Board_9-Net-(JP2-Pad2): JP2#2.2 R9.1
Board_9-Net-(JP4-Pad2): JP4#12.2 R10#8.1
Board_9-Net-(Q1-Pad1): Q1#7.1 R2#12.2 R6.1
Board_9-Net-(Q1-Pad3): Q1#7.3 U2#6.10
Board_9-Net-(R1-Pad1): R1#3.1 U2#6.2
Board_9-Net-(R3-Pad1): R3#7.1 U2#6.1
Board_9-PPS: JP4#12.1 U2#6.6 U5#5.13
Board_9-RESET: R2#12.1 U5#5.2
Board_9-RXD1: R1#3.2 U5#5.12
Board_9-SCL: K5#6.1 K7#12.1 R7#5.1 U5#5.9
Board_9-SDA: K5#6.2 K7#12.2 R4#7.1 U5#5.8
Board_9-TXD1: R3#7.2 U5#5.11
Board_9-unconnected-(U2-Pad9): U2#6.9
Board_9-UPDI: K6#11.2 U5#5.10
Board_9-V_BCKP: D1#8.2 D2#12.2 U2#6.5
Board_10-3V3: C2#12.2 C3#9.2 C5.1 D1#12.1 JP2#12.1 K5#4.3 K6#12.1 K7#10.3 R4#5.2 R7#2.2 U2#12.4 U5#8.1
Board_10-ADD1: K8#12.1 U5#8.7
Board_10-ADD2: K8#12.3 U5#8.6
Board_10-ADD3: K8#12.5 U5#8.5
Board_10-ANT: K1#7.1 U2#12.11
Board_10-ANT_DET: U2#12.8 U5#8.4
Board_10-FORCE_ON: R5#9.1 U2#12.7 U5#8.3
Board_10-GND: C2#12.1 C3#9.1 C5.2 D3#10.2 D4#10.2 K1#7.2 K3#5.2- K5#4.4 K5#4.5 K6#12.3 K7#10.4 K7#10.5 K8#12.2 K8#12.4 K8#12.6 Q1#9.2 R5#9.2 R6#6.2 U2#12.3 U2#12.12 U5#8.14
Board_10-Net-(D2-Pad1): D2#5.1 K3#5.1+
Board_10-Net-(D3-Pad1): D3#10.1 R9#10.2
Board_10-Net-(D4-Pad1): D4#10.1 R10#6.2
Board_10-Net-(JP2-Pad2): JP2#12.2 R9#10.1
Board_10-Net-(JP4-Pad2): JP4#4.2 R10#6.1
Board_10-Net-(Q1-Pad1): Q1#9.1 R2#4.2 R6#6.1
Board_10-Net-(Q1-Pad3): Q1#9.3 U2#12.10
Board_10-Net-(R1-Pad1): R1#4.1 U2#12.2
Board_10-Net-(R3-Pad1): R3#3.1 U2#12.1
Board_10-PPS: JP4#4.1 U2#12.6 U5#8.13
Board_10-RESET: R2#4.1 U5#8.2
Board_10-RXD1: R1#4.2 U5#8.12
Board_10-SCL: K5#4.1 K7#10.1 R7#2.1 U5#8.9
Board_10-SDA: K5#4.2 K7#10.2 R4#5.1 U5#8.8
Board_10-TXD1: R3#3.2 U5#8.11
Board_10-unconnected-(U2-Pad9): U2#12.9
Board_10-UPDI: K6#12.2 U5#8.10
Board_10-V_BCKP: D1#12.2 D2#5.2 U2#12.5
Board_11-3V3: C2#9.2 C3#12.2 C5#8.1 D1#5.1 JP2.1 K5#3.3 K6#8.1 K7#7.3 R4#9.2 R7#6.2 U2#4.4 U5#7.1
Board_11-ADD1: K8#5.1 U5#7.7
Board_11-ADD2: K8#5.3 U5#7.6
Board_11-ADD3: K8#5.5 U5#7.5
Board_11-ANT: K1#2.1 U2#4.11
Board_11-ANT_DET: U2#4.8 U5#7.4
Board_11-FORCE_ON: R5#4.1 U2#4.7 U5#7.3
Board_11-GND: C2#9.1 C3#12.1 C5#8.2 D3#5.2 D4#6.2 K1#2.2 K3#10.2- K5#3.4 K5#3.5 K6#8.3 K7#7.4 K7#7.5 K8#5.2 K8#5.4 K8#5.6 Q1#2.2 R5#4.2 R6#7.2 U2#4.3 U2#4.12 U5#7.14
Board_11-Net-(D2-Pad1): D2#7.1 K3#10.1+
